# Altium PCB PCB2.PcbDoc (part 2 of 2)
Units mil, origin at the board's own origin, x right, y up, seen from the top; angles counter-clockwise.
Board outline 15748.03 x 10433.07 mil, 3 copper layers (Top Layer, Y1, Bottom Layer), stack 19.217 mil thick; 488 components, 481 nets, 1148 pads, 320 vias.
Unrouted connection lines stored in the file: 1.
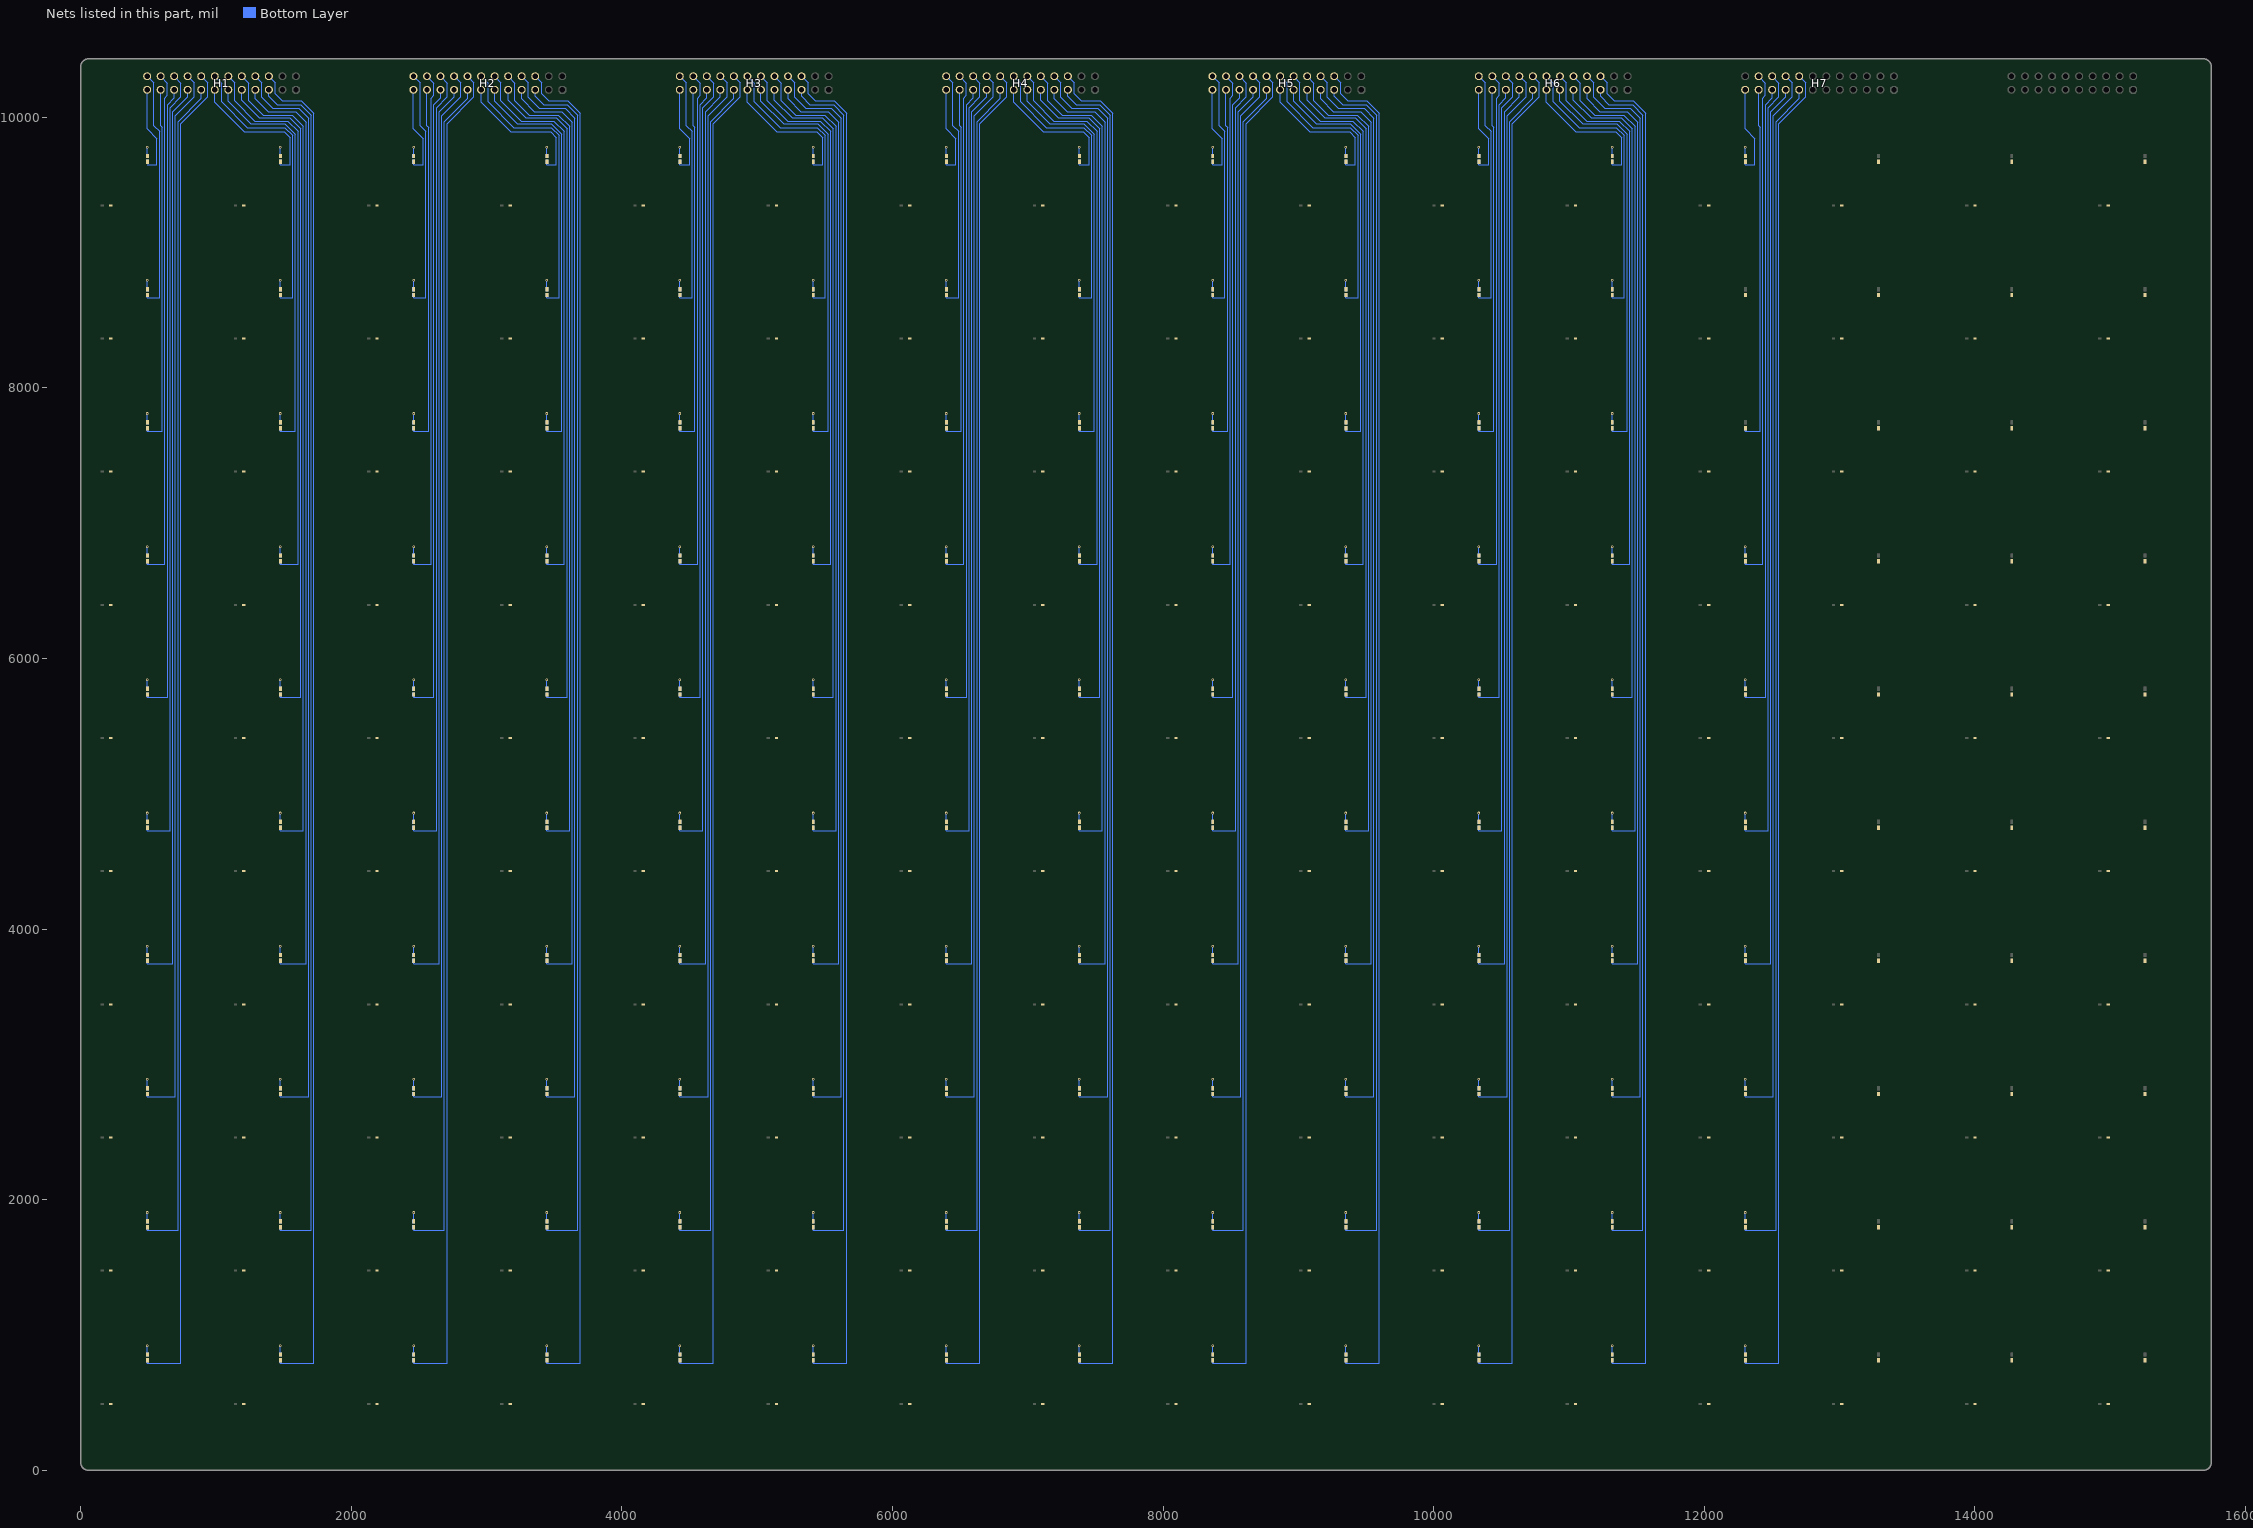
[diagram p3: the nets of this part, all layers, seen from the top]

## Via types
v1: diameter 19.68, hole 11.81, Top Layer to Bottom Layer, tented both sides, 320 vias

## Nets (pads, with @x,y where several pads share a name; then routed paths per layer and width w, separated by ;. In a path a pad name is that pad's centre, name@x,y a point inside that pad or via, vN(x,y) a via of type N, cw(c..) or ccw(c..) an arc to the next point about the centre after c; other vN are vias at no path point) (continued)
NewNet64: H7.21 L3_12.1 | length 2665.7
  Bottom Layer w7.87: L3_12.1@12302.99,7708.34 12302.99,7680.34 12413.35,7680.34 12413.35,9924.67 12402.02,9936 H7.21@12402.02,10203
NewNet65: FL4_12.1 L4_12.2 | length 71.5
  Bottom Layer w7.87: L4_12.2@12302.99,6754.09 v1(12302.99,6825.61)
NewNet66: H7.22 L4_12.1 | length 3793.5
  Bottom Layer w7.87: L4_12.1@12302.99,6724.09 12302.99,6696.09 12433.04,6696.09 12433.04,10142.02 12452.02,10161 12452.02,10253 H7.22@12402.02,10303
NewNet67: FL5_12.1 L5_12.2 | length 71.5
  Bottom Layer w7.87: L5_12.2@12302.99,5769.83 v1(12302.99,5841.36)
NewNet68: H7.19 L5_12.1 | length 4689.3
  Bottom Layer w7.87: L5_12.1@12302.99,5739.83 12302.99,5711.83 12452.72,5711.83 12452.72,10093.7 12502.02,10143 H7.19@12502.02,10203
NewNet69: FL6_12.1 L6_12.2 | length 71.5
  Bottom Layer w7.87: L6_12.2@12302.99,4785.58 v1(12302.99,4857.11)
NewNet70: H7.20 L6_12.1 | length 5826.5
  Bottom Layer w7.87: L6_12.1@12302.99,4755.58 12302.99,4727.58 12472.41,4727.58 12472.41,10070.39 12552.02,10150 12552.02,10253 H7.20@12502.02,10303
NewNet71: FL7_12.1 L7_12.2 | length 71.5
  Bottom Layer w7.87: L7_12.2@12302.99,3801.33 v1(12302.99,3872.86)
NewNet72: H7.17 L7_12.1 | length 6722.3
  Bottom Layer w7.87: L7_12.1@12302.99,3771.33 12302.99,3743.33 12492.09,3743.33 12492.09,10040.07 12602.02,10150 H7.17@12602.02,10203
NewNet73: FL8_12.1 L8_12.2 | length 71.5
  Bottom Layer w7.87: L8_12.2@12302.99,2817.08 v1(12302.99,2888.61)
NewNet74: H7.18 L8_12.1 | length 7858.7
  Bottom Layer w7.87: L8_12.1@12302.99,2787.08 12302.99,2759.08 12511.78,2759.08 12511.78,10011.76 12651.02,10151 12651.02,10254 H7.18@12602.02,10303
NewNet75: FL9_12.1 L9_12.2 | length 71.5
  Bottom Layer w7.87: L9_12.2@12302.99,1832.83 v1(12302.99,1904.35)
NewNet76: H7.15 L9_12.1 | length 8755.3
  Bottom Layer w7.87: L9_12.1@12302.99,1802.83 12302.99,1774.83 12531.46,1774.83 12531.46,9968.44 12702.02,10139 H7.15@12702.02,10203
NewNet77: FL10_12.1 L10_12.2 | length 71.5
  Bottom Layer w7.87: L10_12.2@12302.99,848.57 v1(12302.99,920.1)
NewNet78: H7.16 L10_12.1 | length 9890
  Bottom Layer w7.87: L10_12.1@12302.99,818.57 12302.99,790.57 12551.15,790.57 12551.15,9952.13 12749.02,10150 12749.02,10256 H7.16@12702.02,10303
NewNet79: FL1_12.1 L1_12.2 | length 71.5
  Bottom Layer w7.87: L1_12.2@12302.99,9706.84 v1(12302.99,9778.37)
NewNet80: H7.23 L1_12.1 | length 683
  Bottom Layer w7.87: H7.23@12302.02,10203 12302.02,9913.96 12373.98,9842 12373.98,9648.84 12302.99,9648.84 L1_12.1@12302.99,9676.84
NewNet81: FL2_11.1 L2_11.2 | length 71.5
  Bottom Layer w7.87: L2_11.2@11318.74,8722.59 v1(11318.74,8794.12)
NewNet82: H6.14 L2_11.1 | length 2157.3
  Bottom Layer w7.87: H6.14@10833.52,10303 10884.52,10252 10884.52,10114 11074.52,9924 11350.52,9924 11409.42,9865.1 11409.42,8664.59 11318.74,8664.59 L2_11.1@11318.74,8692.59
NewNet83: FL3_11.1 L3_11.2 | length 71.5
  Bottom Layer w7.87: L3_11.2@11318.74,7738.34 v1(11318.74,7809.87)
NewNet84: H6.11 L3_11.1 | length 3013.9
  Bottom Layer w7.87: H6.11@10933.52,10203 10933.52,10119 11100.52,9952 11352.52,9952 11429.1,9875.42 11429.1,7680.34 11318.74,7680.34 L3_11.1@11318.74,7708.34
NewNet85: FL4_11.1 L4_11.2 | length 71.5
  Bottom Layer w7.87: L4_11.2@11318.74,6754.09 v1(11318.74,6825.61)
NewNet86: H6.12 L4_11.1 | length 4119.6
  Bottom Layer w7.87: H6.12@10933.52,10303 10980.52,10256 10980.52,10122 11130.52,9972 11371.52,9972 11448.79,9894.73 11448.79,6696.09 11318.74,6696.09 L4_11.1@11318.74,6724.09
NewNet87: FL5_11.1 L5_11.2 | length 71.5
  Bottom Layer w7.87: L5_11.2@11318.74,5769.83 v1(11318.74,5841.36)
NewNet88: H6.9 L5_11.1 | length 4980.3
  Bottom Layer w7.87: H6.9@11033.52,10203 11033.52,10126 11163.52,9996 11387.52,9996 11468.47,9915.05 11468.47,5711.83 11318.74,5711.83 L5_11.1@11318.74,5739.83
NewNet89: FL6_11.1 L6_11.2 | length 71.5
  Bottom Layer w7.87: L6_11.2@11318.74,4785.58 v1(11318.74,4857.11)
NewNet90: H6.10 L6_11.1 | length 6086.5
  Bottom Layer w7.87: H6.10@11033.52,10303 11083.52,10253 11083.52,10123 11190.52,10016 11404.52,10016 11488.16,9932.36 11488.16,4727.58 11318.74,4727.58 L6_11.1@11318.74,4755.58
NewNet91: FL7_11.1 L7_11.2 | length 71.5
  Bottom Layer w7.87: L7_11.2@11318.74,3801.33 v1(11318.74,3872.86)
NewNet92: H6.7 L7_11.1 | length 6950.7
  Bottom Layer w7.87: H6.7@11133.52,10203 11133.52,10135 11227.52,10041 11430.52,10041 11507.84,9963.68 11507.84,3743.33 11318.74,3743.33 L7_11.1@11318.74,3771.33
NewNet93: FL8_11.1 L8_11.2 | length 71.5
  Bottom Layer w7.87: L8_11.2@11318.74,2817.08 v1(11318.74,2888.61)
NewNet94: H6.8 L8_11.1 | length 8055.8
  Bottom Layer w7.87: H6.8@11133.52,10303 11182.52,10254 11182.52,10146 11263.52,10065 11454.52,10065 11527.53,9991.99 11527.53,2759.08 11318.74,2759.08 L8_11.1@11318.74,2787.08
NewNet95: FL9_11.1 L9_11.2 | length 71.5
  Bottom Layer w7.87: L9_11.2@11318.74,1832.83 v1(11318.74,1904.35)
NewNet96: H6.5 L9_11.1 | length 8917.1
  Bottom Layer w7.87: H6.5@11233.52,10203 11233.52,10154 11295.52,10092 11470.52,10092 11547.21,10015.31 11547.21,1774.83 11318.74,1774.83 L9_11.1@11318.74,1802.83
NewNet97: FL10_11.1 L10_11.2 | length 71.5
  Bottom Layer w7.87: L10_11.2@11318.74,848.57 v1(11318.74,920.1)
NewNet98: H6.6 L10_11.1 | length 10008.7
  Bottom Layer w7.87: H6.6@11233.52,10303 11281.52,10255 11281.52,10174 11333.52,10122 11473.52,10122 11566.9,10028.62 11566.9,790.57 11318.74,790.57 L10_11.1@11318.74,818.57
NewNet99: FL1_11.1 L1_11.2 | length 71.5
  Bottom Layer w7.87: L1_11.2@11318.74,9706.84 v1(11318.74,9778.37)
NewNet100: H6.13 L1_11.1 | length 1056.3
  Bottom Layer w7.87: H6.13@10833.52,10203 10833.52,10109 11051.52,9891 11346.52,9891 11389.73,9847.79 11389.73,9648.84 11318.74,9648.84 L1_11.1@11318.74,9676.84
NewNet101: FL2_10.1 L2_10.2 | length 71.5
  Bottom Layer w7.87: L2_10.2@10334.49,8722.59 v1(10334.49,8794.12)
NewNet102: H6.24 L2_10.1 | length 1795
  Bottom Layer w7.87: H6.24@10333.52,10303 10382.52,10254 10382.52,9938 10425.17,9895.35 10425.17,8664.59 10334.49,8664.59 L2_10.1@10334.49,8692.59
NewNet103: FL3_10.1 L3_10.2 | length 71.5
  Bottom Layer w7.87: L3_10.2@10334.49,7738.34 v1(10334.49,7809.87)
NewNet104: H6.21 L3_10.1 | length 2665.7
  Bottom Layer w7.87: L3_10.1@10334.49,7708.34 10334.49,7680.34 10444.85,7680.34 10444.85,9924.67 10433.52,9936 H6.21@10433.52,10203
NewNet105: FL4_10.1 L4_10.2 | length 71.5
  Bottom Layer w7.87: L4_10.2@10334.49,6754.09 v1(10334.49,6825.61)
NewNet106: H6.22 L4_10.1 | length 3793.5
  Bottom Layer w7.87: L4_10.1@10334.49,6724.09 10334.49,6696.09 10464.54,6696.09 10464.54,10142.02 10483.52,10161 10483.52,10253 H6.22@10433.52,10303
NewNet107: FL5_10.1 L5_10.2 | length 71.5
  Bottom Layer w7.87: L5_10.2@10334.49,5769.83 v1(10334.49,5841.36)
NewNet108: H6.19 L5_10.1 | length 4689.3
  Bottom Layer w7.87: L5_10.1@10334.49,5739.83 10334.49,5711.83 10484.22,5711.83 10484.22,10093.7 10533.52,10143 H6.19@10533.52,10203
NewNet109: FL6_10.1 L6_10.2 | length 71.5
  Bottom Layer w7.87: L6_10.2@10334.49,4785.58 v1(10334.49,4857.11)
NewNet110: H6.20 L6_10.1 | length 5826.5
  Bottom Layer w7.87: L6_10.1@10334.49,4755.58 10334.49,4727.58 10503.91,4727.58 10503.91,10070.39 10583.52,10150 10583.52,10253 H6.20@10533.52,10303
NewNet111: FL7_10.1 L7_10.2 | length 71.5
  Bottom Layer w7.87: L7_10.2@10334.49,3801.33 v1(10334.49,3872.86)
NewNet112: H6.17 L7_10.1 | length 6722.3
  Bottom Layer w7.87: L7_10.1@10334.49,3771.33 10334.49,3743.33 10523.59,3743.33 10523.59,10040.07 10633.52,10150 H6.17@10633.52,10203
NewNet113: FL8_10.1 L8_10.2 | length 71.5
  Bottom Layer w7.87: L8_10.2@10334.49,2817.08 v1(10334.49,2888.61)
NewNet114: H6.18 L8_10.1 | length 7858.7
  Bottom Layer w7.87: L8_10.1@10334.49,2787.08 10334.49,2759.08 10543.28,2759.08 10543.28,10011.76 10682.52,10151 10682.52,10254 H6.18@10633.52,10303
NewNet115: FL9_10.1 L9_10.2 | length 71.5
  Bottom Layer w7.87: L9_10.2@10334.49,1832.83 v1(10334.49,1904.35)
NewNet116: H6.15 L9_10.1 | length 8755.3
  Bottom Layer w7.87: L9_10.1@10334.49,1802.83 10334.49,1774.83 10562.96,1774.83 10562.96,9968.44 10733.52,10139 H6.15@10733.52,10203
NewNet117: FL10_10.1 L10_10.2 | length 71.5
  Bottom Layer w7.87: L10_10.2@10334.49,848.57 v1(10334.49,920.1)
NewNet118: H6.16 L10_10.1 | length 9890
  Bottom Layer w7.87: L10_10.1@10334.49,818.57 10334.49,790.57 10582.65,790.57 10582.65,9952.13 10780.52,10150 10780.52,10256 H6.16@10733.52,10303
NewNet119: FL1_10.1 L1_10.2 | length 71.5
  Bottom Layer w7.87: L1_10.2@10334.49,9706.84 v1(10334.49,9778.37)
NewNet120: H6.23 L1_10.1 | length 683
  Bottom Layer w7.87: H6.23@10333.52,10203 10333.52,9913.96 10405.48,9842 10405.48,9648.84 10334.49,9648.84 L1_10.1@10334.49,9676.84
NewNet121: FL2_9.1 L2_9.2 | length 71.5
  Bottom Layer w7.87: L2_9.2@9350.24,8722.59 v1(9350.24,8794.12)
NewNet122: H5.14 L2_9.1 | length 2157.3
  Bottom Layer w7.87: H5.14@8865.02,10303 8916.02,10252 8916.02,10114 9106.02,9924 9382.02,9924 9440.91,9865.1 9440.91,8664.59 9350.24,8664.59 L2_9.1@9350.24,8692.59
NewNet123: FL3_9.1 L3_9.2 | length 71.5
  Bottom Layer w7.87: L3_9.2@9350.24,7738.34 v1(9350.24,7809.87)
NewNet124: H5.11 L3_9.1 | length 3013.9
  Bottom Layer w7.87: H5.11@8965.02,10203 8965.02,10119 9132.02,9952 9384.02,9952 9460.6,9875.42 9460.6,7680.34 9350.24,7680.34 L3_9.1@9350.24,7708.34
NewNet125: FL4_9.1 L4_9.2 | length 71.5
  Bottom Layer w7.87: L4_9.2@9350.24,6754.09 v1(9350.24,6825.61)
NewNet126: H5.12 L4_9.1 | length 4119.6
  Bottom Layer w7.87: H5.12@8965.02,10303 9012.02,10256 9012.02,10122 9162.02,9972 9403.02,9972 9480.28,9894.73 9480.28,6696.09 9350.24,6696.09 L4_9.1@9350.24,6724.09
NewNet127: FL5_9.1 L5_9.2 | length 71.5
  Bottom Layer w7.87: L5_9.2@9350.24,5769.83 v1(9350.24,5841.36)
NewNet128: H5.9 L5_9.1 | length 4980.3
  Bottom Layer w7.87: H5.9@9065.02,10203 9065.02,10126 9195.02,9996 9419.02,9996 9499.97,9915.05 9499.97,5711.83 9350.24,5711.83 L5_9.1@9350.24,5739.83
NewNet129: FL6_9.1 L6_9.2 | length 71.5
  Bottom Layer w7.87: L6_9.2@9350.24,4785.58 v1(9350.24,4857.11)
NewNet130: H5.10 L6_9.1 | length 6086.5
  Bottom Layer w7.87: H5.10@9065.02,10303 9115.02,10253 9115.02,10123 9222.02,10016 9436.02,10016 9519.65,9932.36 9519.65,4727.58 9350.24,4727.58 L6_9.1@9350.24,4755.58
NewNet131: FL7_9.1 L7_9.2 | length 71.5
  Bottom Layer w7.87: L7_9.2@9350.24,3801.33 v1(9350.24,3872.86)
NewNet132: H5.7 L7_9.1 | length 6950.7
  Bottom Layer w7.87: H5.7@9165.02,10203 9165.02,10135 9259.02,10041 9462.02,10041 9539.34,9963.68 9539.34,3743.33 9350.24,3743.33 L7_9.1@9350.24,3771.33
NewNet133: FL8_9.1 L8_9.2 | length 71.5
  Bottom Layer w7.87: L8_9.2@9350.24,2817.08 v1(9350.24,2888.61)
NewNet134: H5.8 L8_9.1 | length 8055.8
  Bottom Layer w7.87: H5.8@9165.02,10303 9214.02,10254 9214.02,10146 9295.02,10065 9486.02,10065 9559.02,9991.99 9559.02,2759.08 9350.24,2759.08 L8_9.1@9350.24,2787.08
NewNet135: FL9_9.1 L9_9.2 | length 71.5
  Bottom Layer w7.87: L9_9.2@9350.24,1832.83 v1(9350.24,1904.35)
NewNet136: H5.5 L9_9.1 | length 8917.1
  Bottom Layer w7.87: H5.5@9265.02,10203 9265.02,10154 9327.02,10092 9502.02,10092 9578.71,10015.31 9578.71,1774.83 9350.24,1774.83 L9_9.1@9350.24,1802.83
NewNet137: FL10_9.1 L10_9.2 | length 71.5
  Bottom Layer w7.87: L10_9.2@9350.24,848.57 v1(9350.24,920.1)
NewNet138: H5.6 L10_9.1 | length 10008.7
  Bottom Layer w7.87: H5.6@9265.02,10303 9313.02,10255 9313.02,10174 9365.02,10122 9505.02,10122 9598.39,10028.62 9598.39,790.57 9350.24,790.57 L10_9.1@9350.24,818.57
NewNet139: FL1_9.1 L1_9.2 | length 71.5
  Bottom Layer w7.87: L1_9.2@9350.24,9706.84 v1(9350.24,9778.37)
NewNet140: H5.13 L1_9.1 | length 1056.3
  Bottom Layer w7.87: H5.13@8865.02,10203 8865.02,10109 9083.02,9891 9378.02,9891 9421.23,9847.79 9421.23,9648.84 9350.24,9648.84 L1_9.1@9350.24,9676.84
NewNet141: FL2_8.1 L2_8.2 | length 71.5
  Bottom Layer w7.87: L2_8.2@8365.98,8722.59 v1(8365.98,8794.12)
NewNet142: H5.24 L2_8.1 | length 1795
  Bottom Layer w7.87: H5.24@8365.02,10303 8414.02,10254 8414.02,9938 8456.66,9895.35 8456.66,8664.59 8365.98,8664.59 L2_8.1@8365.98,8692.59
NewNet143: FL3_8.1 L3_8.2 | length 71.5
  Bottom Layer w7.87: L3_8.2@8365.98,7738.34 v1(8365.98,7809.87)
NewNet144: H5.21 L3_8.1 | length 2665.7
  Bottom Layer w7.87: L3_8.1@8365.98,7708.34 8365.98,7680.34 8476.35,7680.34 8476.35,9924.67 8465.02,9936 H5.21@8465.02,10203
NewNet145: FL4_8.1 L4_8.2 | length 71.5
  Bottom Layer w7.87: L4_8.2@8365.98,6754.09 v1(8365.98,6825.61)
NewNet146: H5.22 L4_8.1 | length 3793.5
  Bottom Layer w7.87: L4_8.1@8365.98,6724.09 8365.98,6696.09 8496.03,6696.09 8496.03,10142.02 8515.02,10161 8515.02,10253 H5.22@8465.02,10303
NewNet147: FL5_8.1 L5_8.2 | length 71.5
  Bottom Layer w7.87: L5_8.2@8365.98,5769.83 v1(8365.98,5841.36)
NewNet148: H5.19 L5_8.1 | length 4689.3
  Bottom Layer w7.87: L5_8.1@8365.98,5739.83 8365.98,5711.83 8515.72,5711.83 8515.72,10093.7 8565.02,10143 H5.19@8565.02,10203
NewNet149: FL6_8.1 L6_8.2 | length 71.5
  Bottom Layer w7.87: L6_8.2@8365.98,4785.58 v1(8365.98,4857.11)
NewNet150: H5.20 L6_8.1 | length 5826.5
  Bottom Layer w7.87: L6_8.1@8365.98,4755.58 8365.98,4727.58 8535.4,4727.58 8535.4,10070.39 8615.02,10150 8615.02,10253 H5.20@8565.02,10303
NewNet151: FL7_8.1 L7_8.2 | length 71.5
  Bottom Layer w7.87: L7_8.2@8365.98,3801.33 v1(8365.98,3872.86)
NewNet152: H5.17 L7_8.1 | length 6722.3
  Bottom Layer w7.87: L7_8.1@8365.98,3771.33 8365.98,3743.33 8555.09,3743.33 8555.09,10040.07 8665.02,10150 H5.17@8665.02,10203
NewNet153: FL8_8.1 L8_8.2 | length 71.5
  Bottom Layer w7.87: L8_8.2@8365.98,2817.08 v1(8365.98,2888.61)
NewNet154: H5.18 L8_8.1 | length 7858.7
  Bottom Layer w7.87: L8_8.1@8365.98,2787.08 8365.98,2759.08 8574.77,2759.08 8574.77,10011.76 8714.02,10151 8714.02,10254 H5.18@8665.02,10303
NewNet155: FL9_8.1 L9_8.2 | length 71.5
  Bottom Layer w7.87: L9_8.2@8365.98,1832.83 v1(8365.98,1904.35)
NewNet156: H5.15 L9_8.1 | length 8755.3
  Bottom Layer w7.87: L9_8.1@8365.98,1802.83 8365.98,1774.83 8594.46,1774.83 8594.46,9968.44 8765.02,10139 H5.15@8765.02,10203
NewNet157: FL10_8.1 L10_8.2 | length 71.5
  Bottom Layer w7.87: L10_8.2@8365.98,848.57 v1(8365.98,920.1)
NewNet158: H5.16 L10_8.1 | length 9890
  Bottom Layer w7.87: L10_8.1@8365.98,818.57 8365.98,790.57 8614.14,790.57 8614.14,9952.13 8812.02,10150 8812.02,10256 H5.16@8765.02,10303
NewNet159: FL1_8.1 L1_8.2 | length 71.5
  Bottom Layer w7.87: L1_8.2@8365.98,9706.84 v1(8365.98,9778.37)
NewNet160: H5.23 L1_8.1 | length 683
  Bottom Layer w7.87: H5.23@8365.02,10203 8365.02,9913.96 8436.98,9842 8436.98,9648.84 8365.98,9648.84 L1_8.1@8365.98,9676.84
NewNet161: FL2_7.1 L2_7.2 | length 71.5
  Bottom Layer w7.87: L2_7.2@7381.73,8722.59 v1(7381.73,8794.12)
NewNet162: H4.14 L2_7.1 | length 2157.3
  Bottom Layer w7.87: H4.14@6896.51,10303 6947.51,10252 6947.51,10114 7137.51,9924 7413.51,9924 7472.41,9865.1 7472.41,8664.59 7381.73,8664.59 L2_7.1@7381.73,8692.59
NewNet163: FL3_7.1 L3_7.2 | length 71.5
  Bottom Layer w7.87: L3_7.2@7381.73,7738.34 v1(7381.73,7809.87)
NewNet164: H4.11 L3_7.1 | length 3013.9
  Bottom Layer w7.87: H4.11@6996.51,10203 6996.51,10119 7163.51,9952 7415.51,9952 7492.09,9875.42 7492.09,7680.34 7381.73,7680.34 L3_7.1@7381.73,7708.34
NewNet165: FL4_7.1 L4_7.2 | length 71.5
  Bottom Layer w7.87: L4_7.2@7381.73,6754.09 v1(7381.73,6825.61)
NewNet166: H4.12 L4_7.1 | length 4119.6
  Bottom Layer w7.87: H4.12@6996.51,10303 7043.51,10256 7043.51,10122 7193.51,9972 7434.51,9972 7511.78,9894.73 7511.78,6696.09 7381.73,6696.09 L4_7.1@7381.73,6724.09
NewNet167: FL5_7.1 L5_7.2 | length 71.5
  Bottom Layer w7.87: L5_7.2@7381.73,5769.83 v1(7381.73,5841.36)
NewNet168: H4.9 L5_7.1 | length 4980.3
  Bottom Layer w7.87: H4.9@7096.51,10203 7096.51,10126 7226.51,9996 7450.51,9996 7531.46,9915.05 7531.46,5711.83 7381.73,5711.83 L5_7.1@7381.73,5739.83
NewNet169: FL6_7.1 L6_7.2 | length 71.5
  Bottom Layer w7.87: L6_7.2@7381.73,4785.58 v1(7381.73,4857.11)
NewNet170: H4.10 L6_7.1 | length 6086.5
  Bottom Layer w7.87: H4.10@7096.51,10303 7146.51,10253 7146.51,10123 7253.51,10016 7467.51,10016 7551.15,9932.36 7551.15,4727.58 7381.73,4727.58 L6_7.1@7381.73,4755.58
NewNet171: FL7_7.1 L7_7.2 | length 71.5
  Bottom Layer w7.87: L7_7.2@7381.73,3801.33 v1(7381.73,3872.86)
NewNet172: H4.7 L7_7.1 | length 6950.7
  Bottom Layer w7.87: H4.7@7196.51,10203 7196.51,10135 7290.51,10041 7493.51,10041 7570.83,9963.68 7570.83,3743.33 7381.73,3743.33 L7_7.1@7381.73,3771.33
NewNet173: FL8_7.1 L8_7.2 | length 71.5
  Bottom Layer w7.87: L8_7.2@7381.73,2817.08 v1(7381.73,2888.61)
NewNet174: H4.8 L8_7.1 | length 8055.8
  Bottom Layer w7.87: H4.8@7196.51,10303 7245.51,10254 7245.51,10146 7326.51,10065 7517.51,10065 7590.52,9991.99 7590.52,2759.08 7381.73,2759.08 L8_7.1@7381.73,2787.08
NewNet175: FL9_7.1 L9_7.2 | length 71.5
  Bottom Layer w7.87: L9_7.2@7381.73,1832.83 v1(7381.73,1904.35)
NewNet176: H4.5 L9_7.1 | length 8917.1
  Bottom Layer w7.87: H4.5@7296.51,10203 7296.51,10154 7358.51,10092 7533.51,10092 7610.2,10015.31 7610.2,1774.83 7381.73,1774.83 L9_7.1@7381.73,1802.83
NewNet177: FL10_7.1 L10_7.2 | length 71.5
  Bottom Layer w7.87: L10_7.2@7381.73,848.57 v1(7381.73,920.1)
NewNet178: H4.6 L10_7.1 | length 10008.7
  Bottom Layer w7.87: H4.6@7296.51,10303 7344.51,10255 7344.51,10174 7396.51,10122 7536.51,10122 7629.89,10028.62 7629.89,790.57 7381.73,790.57 L10_7.1@7381.73,818.57
NewNet179: FL1_7.1 L1_7.2 | length 71.5
  Bottom Layer w7.87: L1_7.2@7381.73,9706.84 v1(7381.73,9778.37)
NewNet180: H4.13 L1_7.1 | length 1056.3
  Bottom Layer w7.87: H4.13@6896.51,10203 6896.51,10109 7114.51,9891 7409.51,9891 7452.72,9847.79 7452.72,9648.84 7381.73,9648.84 L1_7.1@7381.73,9676.84
NewNet181: FL2_6.1 L2_6.2 | length 71.5
  Bottom Layer w7.87: L2_6.2@6397.48,8722.59 v1(6397.48,8794.12)
NewNet182: H4.24 L2_6.1 | length 1795
  Bottom Layer w7.87: H4.24@6396.51,10303 6445.51,10254 6445.51,9938 6488.16,9895.35 6488.16,8664.59 6397.48,8664.59 L2_6.1@6397.48,8692.59